# Altium PCB PCB.PcbDoc (continued)
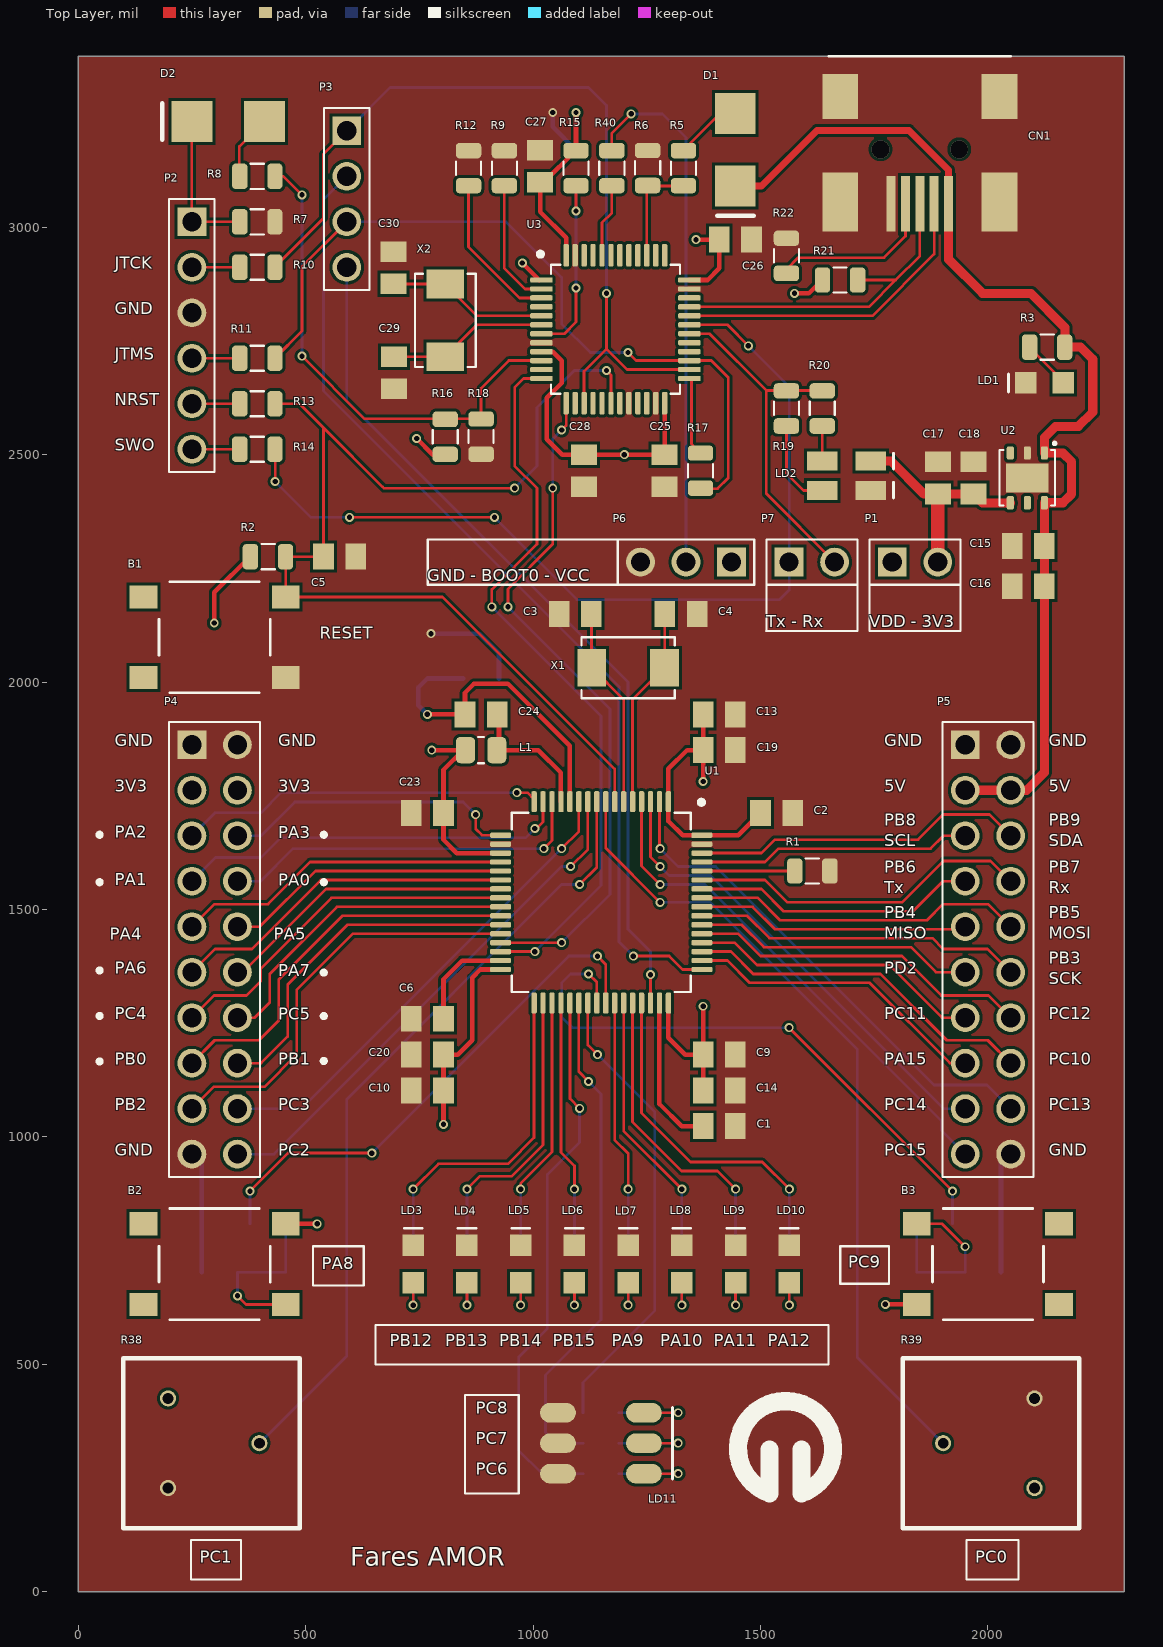
[diagram p0: Top Layer view]
## Footprints (in the part's own frame and the unit in brackets; to place one, negate y for a bottom-side part, rotate by r counter-clockwise, add the part's x,y. Pads: shape width x height; smd on the part's side, far side on the other; paste and mask are expansions set on the pad) (continued)
  rrect53% 0.3x1.26 smd: 1(-2.75,-4.13) 2(-2.25,-4.13) 3(-1.75,-4.13) 4(-1.25,-4.13) 5(-0.75,-4.13) 6(-0.25,-4.13) 7(0.25,-4.13) 8(0.75,-4.13) 9(1.25,-4.13) 10(1.75,-4.13) 11(2.25,-4.13) 12(2.75,-4.13) 25(2.75,4.13) 26(2.25,4.13) 27(1.75,4.13) 28(1.25,4.13) 29(0.75,4.13) 30(0.25,4.13) 31(-0.25,4.13) 32(-0.75,4.13) 33(-1.25,4.13) 34(-1.75,4.13) 35(-2.25,4.13) 36(-2.75,4.13)
  rrect53% 1.26x0.3 smd: 13(4.13,-2.75) 14(4.13,-2.25) 15(4.13,-1.75) 16(4.13,-1.25) 17(4.13,-0.75) 18(4.13,-0.25) 19(4.13,0.25) 20(4.13,0.75) 21(4.13,1.25) 22(4.13,1.75) 23(4.13,2.25) 24(4.13,2.75) 37(-4.13,2.75) 38(-4.13,2.25) 39(-4.13,1.75) 40(-4.13,1.25) 41(-4.13,0.75) 42(-4.13,0.25) 43(-4.13,-0.25) 44(-4.13,-0.75) 45(-4.13,-1.25) 46(-4.13,-1.75) 47(-4.13,-2.25) 48(-4.13,-2.75)
  silkscreen extent -4.32,-4.32 3.6,3.6, body extent -4.5,-4.5 4.5,4.5, height 1.6
STM_QFP64P50_1200X1200X160L60X22N [mm] "Quad Flat Pack (QFP), 0.50 mm pitch; square, 16 pin X 16 pin, 10.00 mm L X 10.00 mm W X 1.60 mm H body"
  rrect53% 0.3x1.17 smd: 1(-3.75,-5.62) 2(-3.25,-5.62) 3(-2.75,-5.62) 4(-2.25,-5.62) 5(-1.75,-5.62) 6(-1.25,-5.62) 7(-0.75,-5.62) 8(-0.25,-5.62) 9(0.25,-5.62) 10(0.75,-5.62) 11(1.25,-5.62) 12(1.75,-5.62) 13(2.25,-5.62) 14(2.75,-5.62) 15(3.25,-5.62) 16(3.75,-5.62) 33(3.75,5.62) 34(3.25,5.62) 35(2.75,5.62) 36(2.25,5.62) 37(1.75,5.62) 38(1.25,5.62) 39(0.75,5.62) 40(0.25,5.62) 41(-0.25,5.62) 42(-0.75,5.62) 43(-1.25,5.62) 44(-1.75,5.62) 45(-2.25,5.62) 46(-2.75,5.62) 47(-3.25,5.62) 48(-3.75,5.62)
  rrect53% 1.17x0.3 smd: 17(5.62,-3.75) 18(5.62,-3.25) 19(5.62,-2.75) 20(5.62,-2.25) 21(5.62,-1.75) 22(5.62,-1.25) 23(5.62,-0.75) 24(5.62,-0.25) 25(5.62,0.25) 26(5.62,0.75) 27(5.62,1.25) 28(5.62,1.75) 29(5.62,2.25) 30(5.62,2.75) 31(5.62,3.25) 32(5.62,3.75) 49(-5.62,3.75) 50(-5.62,3.25) 51(-5.62,2.75) 52(-5.62,2.25) 53(-5.62,1.75) 54(-5.62,1.25) 55(-5.62,0.75) 56(-5.62,0.25) 57(-5.62,-0.25) 58(-5.62,-0.75) 59(-5.62,-1.25) 60(-5.62,-1.75) 61(-5.62,-2.25) 62(-5.62,-2.75) 63(-5.62,-3.25) 64(-5.62,-3.75)
  silkscreen extent -5.71,-5.71 5,5, body extent -6,-6 6,6, height 1.6
TI_SON7P95_300X300X100L40X34T236X162N [mm] "Small Outline No-Lead (SON with Tab), 0.95 mm pitch; 6 pin, 3.00 mm L X 3.00 mm W X 1.00 mm H body"
  rrect50% 0.4x0.75 smd: 1(-0.95,-1.39) 2(0,-1.39) 3(0.95,-1.39) 4(0.95,1.39) 5(0,1.39) 6(-0.95,1.39)
  rect 2.365x1.625 smd paste-2.365: 7(0,0)
  silkscreen extent -1.55,-1.95 1.55,1.55, body extent -1.5,-1.55 1.5,1.55, height 1
VISHAY_RESC205X125X50L35_30N [mm] "Resistor, Chip; 2.05 mm L X 1.25 mm W X 0.50 mm H body"
  rrect48% 0.87x1.42 smd: 1(-0.975,0)
  rrect49% 0.85x1.42 smd: 2(0.985,0)
  silkscreen extent -0.36,-0.7 0.38,0.7, body extent -1.02,-0.63 1.02,0.63, height 0.5

## Part data
B1 B2 B3: "Button_SMD_4_6x6x9.5_Diptronics", Color=Red, Manufacturer=Diptronics, Package=DTSM-65, Dimensions=6x6x9.5, Mounting Type=SMT, Number of Pins=4, Purchase Link=https://www.ozdisan.com/elektromekanik-komponentler/sivicler-anahtarlar/tact-sivicler/DTSM-65R-V-TR
C1 C3 C4 C5 C6 C9 C10 C13 C14 C16 C18 C19 C20 C23 C24 C25 C26 C27 C28 C29 C30 C31 C32 C33: "Cap_0805_0.1uF_25VDC_Kemet", Manufacturer=Kemet, Package=0805, Tolerance=10%, Voltage=25VDC, Dimensions=2x1.25x0.9, Mounting Type=SMT, Purchase Link=https://www.ozdisan.com/pasif-komponentler/kondansatorler/smd-kondansatorler-mlcc/C0805C105K4RACTU
C2 C15 C17: "Cap_0805_1uF_16VDC_Kemet", Manufacturer=Kemet, Package=0805, Tolerance=2%, Voltage=16VDC, Dimensions=2x1.25x0.9, Mounting Type=SMT, Purchase Link=https://www.ozdisan.com/pasif-komponentler/kondansatorler/smd-kondansatorler-mlcc/C0805C105K4RACTU
CN1: "UsbConn_Mini_5Pin_SMT_Connfly"
D1 D2: "Schottky_1A_0.6V_20V_Panjit", Forward Current=1A, Forward Voltage=0.6V, Manufacturer=Panjit, Package=DO214AA, Reverse Voltage=20V, Dimensions=-, Mounting Type=SMD, Purchase Link=https://www.ozdisan.com/guc-yari-iletkenleri/diyot-modul-diyot-dogrultucular/schottky-diyotlar/SK12R100001
L1: "Bead_600R_500mA_0805_Samsung", Manufacturer=Samsung, Package=0805, Mounting Type=SMT, Purchase Link=https://ozdisan.com/Product/Detail/406952/CIM21U601NE
LD1 LD3 LD4 LD5 LD6 LD7 LD8 LD9 LD10: "Led_R_1.7V_25mA_Everlight", Color=R, Forward Current=25mA, Forward Voltage=1.7V, Manufacturer=Everlight, Package=0805, Dimensions=-, Mounting Type=SMT, Purchase Link=https://www.ozdisan.com/led-led-aydinlatma-cozumleri/led-komponentler/renkli-led-sinyal/17-21R6C-AP1Q2L3T
LD2: "Led_RG_1.7-2.4V_25mA_Everlight", Color=RG, Forward Current=25mA, Forward Voltage=1.7-2.4V, Manufacturer=Everlight, Package=1206, Dimensions=-, Mounting Type=SMT, Purchase Link=https://www.ozdisan.com/led-led-aydinlatma-cozumleri/led-komponentler/renkli-led-sinyal/11-22SURSYGCS530-A2TR8
LD11: "Led_RGB_1.8-2.8-2.8V_3x90mA_Honglitronic", Color=RGB, Forward Current=3x90mA, Forward Voltage=1.8-2.8-2.8V, Manufacturer=Honglitronic, Package=5050, Dimensions=-, Mounting Type=SMT, Purchase Link=https://www.ozdisan.com/led-led-aydinlatma-cozumleri/led-komponentler/renkli-led-aydinlatma/HLAF5060H248BS36FU76GCS1
P1 P7: "Head_2x1_2.54", Manufacturer=-, Dimensions=-, Mounting Type=TH, Number of Pins=2x1, Pitch=2.54mm, Position of Pins=V, Purchase Link=-
P2: "Head_6x1_2.54", Manufacturer=-, Dimensions=-, Mounting Type=TH, Number of Pins=6x1, Pitch=2.54mm, Position of Pins=V, Purchase Link=-
P3: "Head_4x1_2.54", Manufacturer=-, Dimensions=-, Mounting Type=TH, Number of Pins=4x1, Pitch=2.54mm, Position of Pins=V, Purchase Link=-
P4 P5: "Head_10x2_2.54", Manufacturer=-, Dimensions=-, Mounting Type=TH, Number of Pins=10x2, Pitch=2.54mm, Position of Pins=V, Purchase Link=-
P6: "Head_3x1_2.54", Manufacturer=-, Dimensions=-, Mounting Type=TH, Number of Pins=3x1, Pitch=2.54mm, Position of Pins=V, Purchase Link=-
R1 R2 R3 R4 R5 R6 R7 R8 R9 R10 R11 R12 R13 R14 R15 R16 R17 R18 R19 R20 R21 R22 R23 R24 R25 R26 R27 R28 R29 R30 R31 R32 R33 R34 R35 R36 R37 R40: "Res_0805_0R_1/8W_Vishay", Manufacturer=Vishay, Package=0805, Power=1/8W, Tolerance=Jumper, Dimensions=2x1.25x0.45, Mounting Type=SMT, Purchase Link=https://www.ozdisan.com/pasif-komponentler/direncler/smt-smd-direncler/CRCW08050000Z0EA
R38 R39: "Trimpot_10K_Bonens", Manufacturer=Bonens, Package=3386F, Power=-, Dimensions=9.5x9.5x5, Mounting Type=TH, Purchase Link=https://www.ozdisan.com/elektromekanik-komponentler/potansiyometre-trimpotlar/trimpot-potansiyometreler/3386F-1-103LF-BN, Tolerance=-
U1: "Microcontroller_STM", Manufacturer=STM, Package=LQFP64, Mounting Type=SMT, Purchase Link=https://ozdisan.com/Product/Detail/483733/STM32F415RGT6
U2: "LinReg_3.3V_500mA_200mV_ST", Dropout Voltage=200mV, Manufacturer=ST, Output Current=500mA, Output Voltage=3.3V, Package=DFN6(3x3), Dimensions=-, Mounting Type=SMT, Purchase Link=https://www.ozdisan.com/entegre-devreler-ics/guc-entegreleri/ic-lineer-voltaj-regulatorleri/LD39050PU33R
U3: "Microcontroller_STM", Manufacturer=STM, Package=LQFP48, Mounting Type=SMT, Purchase Link=https://ozdisan.com/entegre-devreler-ics/embedded-entegre-devreler/ic-mikroislemciler/STM32F103C8T6
X1 X2: "Crystal_8MHz_18pF_140R_20PPM_30PPM_Abracon", Frequency=8MHz, Frequency Stability=30PPM, Frequency Tolerance=20PPM, Load Capacitance=18pF, Manufacturer=Abracon, Package=ABM3, Dimensions=5x3.2x1.3, ESR=140R, Mounting Type=SMT, Purchase Link=https://www.ozdisan.com/pasif-komponentler/kristaller-osilatorler-rezanatorler/kristal/ABM3-8-000MHZ-D2Y-T

## Via types
v1: diameter 19.68, hole 11.81, Top Layer to Bottom Layer, 78 vias
v2: diameter 39.37, hole 39.37, Top Layer to Bottom Layer, 2 vias

## Nets (pads, with @x,y where several pads share a name; then routed paths per layer and width w, separated by ;. In a path a pad name is that pad's centre, name@x,y a point inside that pad or via, vN(x,y) a via of type N, cw(c..) or ccw(c..) an arc to the next point about the centre after c; other vN are vias at no path point)
3V3: C17.2 C18.2 C25.2 C26.2 C27.2 C28.2 LD2.4 P1.2 P6.1 R15.1 R16.2 R21.2 U2.4 U3.1 U3.9 U3.24 U3.36 U3.48 | length 1889
  Top Layer w10: v1(744.09,2535.43) 779.53,2500 R16.2@807.09,2500 ; v1(976.38,2921.26) U3.1@1013.78,2883.86 ; U3.9 1043.31,2726.38 1062.99,2706.69 1062.99,2657.48 1030.51,2625 1030.51,2533.46 1063.98,2500 C28.2 C25.2 U3.24 ; U3.48 1072.84,2976.38 1015.75,3033.46 C27.2 1023.62,3098.42 1094.49,3169.29 v1(1094.49,3251.97) ; U3.36 1383.86,2883.86 1409.45,2909.45 C26.2 v1(1358.27,2972.44) ; v1(1574.8,2854.33) 1606.3,2854.33 R21.2@1635.83,2883.86
  Top Layer w20: LD2.4 1786.42,2486.22 1859.25,2413.39 C17.2 C18.2 1988.19,2393.7 U2.4@2049.21,2393.7
  Top Layer w30: P1.2 C17.2
  other v1: 1200.79,2500
AGND: C24.1 R4.1 U1.12 | length 721.8
  Top Layer w10: v1(767.72,1929.13) C24.1 850.39,1976.38 870.08,1996.06 944.88,1996.06 1081.1,1859.84 U1.12
  Bottom Layer w10: v1(767.72,1929.13) 748.03,1948.82 748.03,1988.19 767.72,2007.87 R4.1@846.46,2007.87
AIN_1: R8.2 R16.1 R18.2 U3.10 | length 1106
  Top Layer w6: R8.2@433.07,3111.81 451.18,3111.81 v1(492.13,3070.87) ; v1(492.13,2716.54) 629.92,2578.74 807.09,2578.74 885.83,2578.74 885.83,2645.67 946.85,2706.69 U3.10
  Bottom Layer w6: v1(492.13,2716.54) v1(492.13,3070.87)
AVDD: C24.2 L1.2 U1.13 | length 300.9
  Top Layer w10: C24.2 925.2,1925.2 925.2,1850.39 1011.81,1850.39 1061.42,1800.79 U1.13
BOOT0: R40.2 U3.44 | length 161.9
  Top Layer w6: U3.44 1151.57,3009.84 1173.23,3031.5 R40.2
GND: B1.1 C1.1 C2.1 C3.2 C4.2 C5.1 C6.1 C9.1 C10.1 C13.1 C14.1 C15.1 C16.1 C17.1 C18.1 C19.1 C20.1 C23.1 C25.1 C26.1 C27.1 C28.1 C29.2 C30.2 C31.1 CN1.5 CN1.6 LD1.2 LD2.2 LD3.2 LD4.2 LD5.2 LD6.2 LD7.2 LD8.2 LD9.2 LD10.2 LD11.4 LD11.5 LD11.6 P2.3 P4.1 P4.10 P4.20 P5.1 P5.11 P5.20 P6.3 R1.1 R4.2 R6.2 R7.2 R9.1 R12.1 R18.1 R22.2 R33.2 R34.2 R38.3 R39.3 U1.18 U1.63 U2.2 U2.7 U3.8 U3.20 U3.23 U3.35 U3.47 | length 863
  Bottom Layer w10: P4.10 271.26,940.95 R33.2@271.26,702.76 ; v1(775.59,2106.3) 881.89,2106.3 925.2,2062.99 R4.2@925.2,2007.87 ; v1(1043.31,3251.97) 1043.31,3220.47 C31.1 ; R34.2@2028.74,702.76 2028.74,940.94 P5.11
LED_ST: P7.2 R19.2 R20.2 U3.30 | length 783.1
  Top Layer w6: U3.30 1387.8,2765.75 1512.79,2640.75 ; R20.2@1635.83,2640.75 1557.09,2640.75 1512.79,2640.75 ; P7.2 1512.79,2413.98 1512.79,2640.75
NetB2_1: B2.1 C32.1 R31.2 R33.1 | length 379
  Top Layer w6: v1(350.39,650.59) 369.09,631.89 B2.1
  Bottom Layer w6: v1(350.39,650.59) 350.39,702.36 350,702.76 C32.1 R31.2@456.5,809.06
NetB3_1: B3.1 C33.1 R32.2 R34.1 | length 396.1
  Top Layer w6: B3.1 1899.61,809.06 v1(1950,758.66)
  Bottom Layer w6: R32.2@1843.5,809.06 C33.1 1950,702.76 v1(1950,758.66)
NetC1_2: C1.2 U1.47 | length 338.3
  Top Layer w10: U1.47 1277.95,1072.44 1326.77,1023.62 C1.2
NetC3_1: C3.1 U1.6 X1.1 | length 437.8
  Top Layer w6: C3.1 1128.35,2032.2 X1.1 1199.21,1961.34 U1.6@1199.21,1741.14
NetC4_1: C4.1 U1.5 X1.2 | length 437.8
  Top Layer w6: U1.5@1218.9,1741.14 1218.9,1961.34 X1.2 1289.76,2032.2 C4.1
NetC6_2: C6.2 U1.31 | length 229.3
  Top Layer w10: C6.2 803.15,1346.46 844.49,1387.8 U1.31
NetC29_1: C29.1 U3.6 X2.1 | length 353.7
  Top Layer w6: C29.1 X2.1 877.24,2785.43 U3.6
NetC30_1: C30.1 U3.5 X2.2 | length 354.7
  Top Layer w6: C30.1 X2.2 877.24,2805.12 U3.5
NetCN1_4: CN1.4 R22.1 | length 372.5
  Top Layer w6: R22.1@1557.09,2897.64 1557.09,2907.13 1583.03,2933.07 1771.65,2933.07 1818.9,2980.32 CN1.4
NetD1_2: D1.2 R5.1 | length 147.6
  Top Layer w6: R5.1@1330.71,3169.29 1411.42,3250 D1.2
NetD2_1: D2.1 P2.1 R7.1 | length 324.8
  Top Layer w6: D2.1 P2.1 R7.1@354.33,3011.81
NetD2_2: D2.2 R8.1 | length 143.3
  Top Layer w6: R8.1@354.33,3111.81 354.33,3177.16 D2.2
NetLD1_1: LD1.1 R3.1 | length 109.7
  Top Layer w6: R3.1@2090.55,2736.22 2165.35,2661.42 LD1.1
NetLD2_1: LD2.1 R19.1 | length 197.6
  Top Layer w6: R19.1@1557.09,2562.01 1557.09,2458.66 1594.49,2421.26 LD2.1
NetLD2_3: LD2.3 R20.1 | length 75.8
  Top Layer w6: LD2.3 R20.1@1635.83,2562.01
NetLD3_1: LD3.1 R23.1 | length 99.6
  Top Layer w6: v1(736.61,630.32) LD3.1
  Bottom Layer w6: v1(736.61,630.32) R23.1@736.61,681.1
NetLD4_1: LD4.1 R24.1 | length 99.6
  Top Layer w6: v1(854.72,630.32) LD4.1
  Bottom Layer w6: v1(854.72,630.32) R24.1@854.72,681.1
NetLD5_1: LD5.1 R25.1 | length 99.6
  Top Layer w6: v1(972.83,630.32) LD5.1
  Bottom Layer w6: v1(972.83,630.32) R25.1@972.83,681.1
NetLD6_1: LD6.1 R26.1 | length 99.6
  Top Layer w6: v1(1090.95,630.32) LD6.1
  Bottom Layer w6: v1(1090.95,630.32) R26.1@1090.95,681.1
NetLD7_1: LD7.1 R27.1 | length 99.6
  Top Layer w6: v1(1209.05,630.32) LD7.1
  Bottom Layer w6: v1(1209.05,630.32) R27.1@1209.05,681.1
NetLD8_1: LD8.1 R28.1 | length 99.6
  Top Layer w6: v1(1327.17,630.32) LD8.1
  Bottom Layer w6: v1(1327.17,630.32) R28.1@1327.17,681.1
NetLD9_1: LD9.1 R29.1 | length 99.6
  Top Layer w6: v1(1445.28,630.32) LD9.1
  Bottom Layer w6: v1(1445.28,630.32) R29.1@1445.28,681.1
NetLD10_1: LD10.1 R30.1 | length 99.6
  Top Layer w6: v1(1563.39,630.32) LD10.1
  Bottom Layer w6: v1(1563.39,630.32) R30.1@1563.39,681.1
NetLD11_1: LD11.1 R36.1 | length 205.5
  Top Layer w6: LD11.1 v1(1318.9,259.84)
  Bottom Layer w6: R36.1@1188.58,259.84 v1(1318.9,259.84)
NetLD11_2: LD11.2 R37.1 | length 205.5
  Top Layer w6: LD11.2 v1(1318.9,326.77)
  Bottom Layer w6: R37.1@1188.58,326.77 v1(1318.9,326.77)
NetLD11_3: LD11.3 R35.1 | length 205.5
  Top Layer w6: LD11.3 v1(1318.9,393.7)
  Bottom Layer w6: R35.1@1188.58,393.7 v1(1318.9,393.7)
NetP2_2: P2.2 R10.1 | length 104.3
  Top Layer w6: P2.2 R10.1@354.33,2911.81
NetP2_4: P2.4 R11.1 | length 104.3
  Top Layer w6: P2.4 R11.1@354.33,2711.81
NetP2_5: P2.5 R13.1 | length 104.3
  Top Layer w6: P2.5 R13.1@354.33,2611.81
NetP2_6: P2.6 R14.1 | length 104.3
  Top Layer w6: P2.6 R14.1@354.33,2511.81
NetP6_2: P6.2 R40.1 | length 1173.8
  Top Layer w6: R40.1 1173.23,3206.69 v1(1215.55,3249.02)
  Bottom Layer w6: v1(1215.55,3249.02) 1284.45,3249.02 1336.22,3197.24 P6.2
NetR1_2: R1.2 U1.60 | length 203.5
  Top Layer w6: U1.60 R1.2@1574.8,1584.65
NetR5_2: R5.2 R6.1 U3.39 | length 231.9
  Top Layer w6: U3.39 1250,3088.58 1251.97,3090.55 R5.2@1330.71,3090.55
NetR9_2: R9.2 U3.2 | length 281.9
  Top Layer w6: R9.2 937.01,2909.45 982.28,2864.17 U3.2
NetR12_2: R12.2 U3.3 | length 340.6
  Top Layer w6: R12.2@858.27,3090.55 858.27,2956.69 970.47,2844.49 U3.3
NRST: B1.3 C5.2 R2.2 R13.2 U1.7 U3.18 | length 2464.7
  Top Layer w6: R13.2@433.07,2611.81 486.61,2611.81 525.59,2572.83 539.37,2559.06 ; v1(959.65,2426.18) 672.24,2426.18 669.29,2429.13 539.37,2559.06 ; v1(1161.42,2685.04) 1171.26,2675.2 U3.18 ; U1.7@1179.53,1742.13 1179.53,1808.66 801.18,2187.01 B1.3 456.5,2275.59 C5.2 539.37,2559.06
  Bottom Layer w6: v1(959.65,2426.18) 1008.86,2475.39 1008.86,2603.35 1090.55,2685.04 v1(1161.42,2685.04)
PA0: P4.17 U1.14 | length 814
  Top Layer w6: v1(1023.62,1633.86) 1041.73,1651.97 U1.14
  Bottom Layer w6: P4.17 400.79,1562.2 472.44,1633.86 v1(1023.62,1633.86)
PA1: P4.4 U1.15 | length 870.6
  Top Layer w6: v1(1003.94,1678.15) 1007.88,1678.15 1022.05,1692.32 U1.15
  Bottom Layer w6: P4.4 301.97,1614.17 401.57,1614.17 444.88,1657.48 983.27,1657.48 v1(1003.94,1678.15)
PA2: P4.3 U1.16 | length 797.7
  Top Layer w6: v1(964.57,1756.89) 987.6,1756.89 U1.16@1002.36,1742.13
  Bottom Layer w6: P4.3 300.39,1712.6 401.57,1712.6 445.87,1756.89 v1(964.57,1756.89)
PA3: P4.18 U1.17 | length 658
  Top Layer w6: v1(874.02,1708.66) 874.02,1677.17 887.8,1663.39 U1.17
  Bottom Layer w6: P4.18 402.36,1662.2 476.38,1736.22 846.46,1736.22 v1(874.02,1708.66)
PA4: P4.5 U1.20 | length 737.6
  Top Layer w6: P4.5 299.61,1511.81 417.32,1511.81 509.84,1604.33 U1.20
PA5: P4.16 U1.21 | length 629.5
  Top Layer w6: P4.16 399.21,1462.2 521.65,1584.65 U1.21
PA6: P4.6 U1.22 | length 762.7
  Top Layer w6: P4.6 301.18,1413.39 381.89,1413.39 533.46,1564.96 U1.22
PA7: P4.15 U1.23 | length 654.6
  Top Layer w6: P4.15 362.2,1362.2 545.28,1545.28 U1.23
PA8: R31.1 U1.41 | length 1165.6
  Top Layer w6: v1(377.76,880.91) 461.42,964.57 v1(645.67,964.57) ; v1(1141.73,1397.64) 1159.84,1379.53 U1.41@1159.84,1289.37
  Bottom Layer w6: R31.1@377.76,809.06 v1(377.76,880.91) ; v1(645.67,964.57) 917.32,1236.22 1078.74,1397.64 v1(1141.73,1397.64)
PA9: R27.2 U1.42 | length 546.9
  Top Layer w6: U1.42 1179.53,993.7 1209.06,964.17 v1(1209.06,885.43)
  Bottom Layer w6: R27.2@1209.06,759.84 v1(1209.06,885.43)
PA10: R28.2 U1.43 | length 584.3
  Top Layer w6: U1.43 1199.21,1013.39 v1@1324.8,887.8
  Bottom Layer w6: R28.2@1327.17,759.84 v1(1327.17,885.43)
PA11: R29.2 U1.44 | length 674.5
  Top Layer w6: U1.44 1218.9,1033.07 1326.77,925.2 1405.51,925.2 v1(1445.28,885.43)
  Bottom Layer w6: R29.2@1445.28,759.84 v1(1445.28,885.43)
PA12: R30.2 U1.45 | length 761.4
  Top Layer w6: U1.45 1238.58,1052.76 1346.46,944.88 1503.94,944.88 v1(1563.39,885.43)
  Bottom Layer w6: R30.2@1563.39,759.84 v1(1563.39,885.43)
PA15: P5.8 U1.50 | length 672.2
  Top Layer w6: U1.50 1427.17,1387.8 1475.98,1338.98 1739.76,1338.98 1916.54,1162.2 P5.8
PB0: P4.8 U1.26 | length 866
  Top Layer w6: P4.8 300.39,1212.6 397.64,1212.6 440.94,1255.91 440.94,1346.46 580.71,1486.22 U1.26
PB1: P4.13 U1.27 | length 771.7
  Top Layer w6: P4.13 402.36,1162.2 460.63,1220.47 460.63,1334.65 592.52,1466.54 U1.27
PB2: P4.9 U1.28 | length 921.1
  Top Layer w6: P4.9 298.03,1110.24 409.45,1110.24 480.32,1181.1 480.32,1322.83 604.33,1446.85 U1.28
PB3: P5.15 U1.55 | length 730.1
  Top Layer w6: U1.55 1470.47,1486.22 1519.69,1437.01 1877.95,1437.01 1901.57,1413.39 1998.82,1413.39 P5.15
PB4: P5.5 U1.56 | length 601.4
  Top Layer w6: U1.56 1482.28,1505.91 1531.5,1456.69 1944.49,1456.69 P5.5
PB5: P5.16 U1.57 | length 734.3
  Top Layer w6: U1.57 1494.09,1525.59 1543.31,1476.38 1866.14,1476.38 1901.57,1511.81 2000.39,1511.81 P5.16
PB6: P5.4 U1.58 | length 626.5
  Top Layer w6: U1.58 1501.97,1545.28 1551.18,1496.06 1834.65,1496.06 1900.79,1562.2 P5.4
PB7: P5.17 U1.59 | length 755.4
  Top Layer w6: U1.59 1509.84,1564.96 1559.06,1515.75 1811.02,1515.75 1902.14,1606.87 2005.34,1606.87 P5.17
PB8: P5.3 U1.61 | length 602.7
  Top Layer w6: U1.61 1509.84,1604.33 1539.37,1633.86 1874.02,1633.86 1902.36,1662.2 P5.3
PB9: P5.18 U1.62 | length 733
  Top Layer w6: U1.62 1501.97,1624.02 1531.5,1653.54 1846.46,1653.54 1901.57,1708.66 2003.54,1708.66 P5.18
PB12: R23.2 U1.33 | length 734.2
  Top Layer w6: v1(736.61,885.43) 792.13,940.94 944.88,940.94 1002.36,998.43 U1.33
  Bottom Layer w6: R23.2@736.61,759.84 v1(736.61,885.43)
PB13: R24.2 U1.34 | length 645.6
  Top Layer w6: v1(854.72,885.43) 882.68,913.39 952.76,913.39 1022.05,982.68 U1.34
  Bottom Layer w6: R24.2 v1(854.72,885.43)
PB14: R25.2 U1.35 | length 563.2
  Top Layer w6: v1(972.83,885.43) 972.83,898.03 1041.73,966.93 U1.35
  Bottom Layer w6: R25.2@972.83,759.84 v1(972.83,885.43)
PB15: R26.2 U1.36 | length 546.9
  Top Layer w6: U1.36 1061.42,966.14 1090.95,936.61 v1(1090.95,885.43)
  Bottom Layer w6: R26.2@1090.95,759.84 v1(1090.95,885.43)
PC0: R39.2 U1.8 | length 1782
  Top Layer w6: U1.8 1159.84,1635.43 v1(1279.53,1515.75)
  Bottom Layer w6: v1(1279.53,1515.75) 1389.76,1515.75 1712.6,1192.91 1712.6,515.75 R39.2
PC1: R38.2 U1.9 | length 1740.5
  Top Layer w6: v1(1102.36,1555.12) 1140.16,1592.91 U1.9
  Bottom Layer w6: R38.2 590.55,518.9 590.55,1082.68 1062.99,1555.12 v1(1102.36,1555.12)
PC2: P4.11 U1.10 | length 1152.8
  Top Layer w6: v1(1082.68,1594.49) 1120.47,1632.28 U1.10
  Bottom Layer w6: P4.11 430.71,962.2 1062.99,1594.49 v1(1082.68,1594.49)
PC3: P4.12 U1.11 | length 1068.6
  Top Layer w6: v1(1062.99,1633.86) 1100.79,1671.65 U1.11
  Bottom Layer w6: P4.12 491.34,1062.2 v1(1062.99,1633.86)
PC4: P4.7 U1.24 | length 804
  Top Layer w6: P4.7 298.82,1311.02 370.08,1311.02 401.57,1342.52 401.57,1370.08 557.09,1525.59 U1.24
PC5: P4.14 U1.25 | length 716.6
  Top Layer w6: P4.14 388.19,1262.2 421.26,1295.28 421.26,1358.27 568.9,1505.91 U1.25
PC6: R36.2 U1.37 | length 1210.3
  Top Layer w6: U1.37 1081.1,1084.25 v1(1102.36,1062.99)
  Bottom Layer w6: v1(1102.36,1062.99) 1102.36,988.19 1031.5,917.32 1031.5,578.74 968.5,515.75 968.5,311.02 1019.68,259.84 R36.2@1109.84,259.84
PC7: R37.2 U1.38 | length 1106.9
  Top Layer w6: U1.38 1100.79,1143.31 v1(1122.05,1122.05)
  Bottom Layer w6: R37.2@1109.84,326.77 1051.18,326.77 1027.56,350.39 1027.56,476.38 1149.61,598.43 1149.61,1094.49 v1(1122.05,1122.05)
PC8: R35.2 U1.39 | length 1027.2
  Top Layer w6: U1.39 1120.47,1202.36 v1(1141.73,1181.1)
  Bottom Layer w6: R35.2@1109.84,393.7 1109.84,460.24 1267.72,618.11 1267.72,1055.12 v1(1141.73,1181.1)
PC9: R32.1 U1.40 | length 1308.1
  Top Layer w6: v1(1122.05,1358.27) 1140.16,1340.16 U1.40@1140.16,1289.37 ; v1(1562.99,1240.16) v1(1922.24,880.91)
  Bottom Layer w6: v1(1122.05,1358.27) 1082.68,1358.27 1062.99,1338.58 1062.99,1263.78 1086.61,1240.16 v1(1562.99,1240.16) ; R32.1@1922.24,809.06 v1(1922.24,880.91)
PC10: P5.13 U1.51 | length 780.3
  Top Layer w6: U1.51 1435.04,1407.48 1484.05,1358.47 1763.58,1358.47 1909.45,1212.6 1999.61,1212.6 P5.13
PC11: P5.7 U1.52 | length 647.1
  Top Layer w6: U1.52 1442.91,1427.17 1492.13,1377.95 1783.46,1377.95 1899.21,1262.2 P5.7
PC12: P5.14 U1.53 | length 755.2
  Top Layer w6: U1.53 1450.79,1446.85 1500,1397.64 1811.02,1397.64 1897.64,1311.02 2001.18,1311.02 P5.14
PC13: P5.12 U1.2 | length 1111.1
  Top Layer w6: U1.2 1277.95,1635.43 v1(1279.53,1633.86)
  Bottom Layer w6: v1(1279.53,1633.86) 1318.9,1594.49 1401.57,1594.49 1881.89,1114.17 1998.03,1114.17 P5.12
PC14: P5.9 U1.3 | length 1042.3
  Top Layer w6: U1.3 1258.27,1615.75 v1(1279.53,1594.49)
  Bottom Layer w6: v1(1279.53,1594.49) 1299.21,1574.8 1389.76,1574.8 1902.36,1062.2 P5.9
PC15: P5.10 U1.4 | length 1127.1
  Top Layer w6: U1.4 1238.58,1596.06 v1(1279.53,1555.12)
  Bottom Layer w6: v1(1279.53,1555.12) 1377.95,1555.12 1897.64,1035.43 1897.64,1014.57 P5.10
PD2: P5.6 U1.54 | length 622
  Top Layer w6: U1.54 1458.66,1466.54 1507.87,1417.32 1830.71,1417.32 1885.83,1362.2 P5.6
PER_ENn: U3.28
STLK_RX: U1.29 U3.13 | length 1510.1
  Top Layer w6: U1.29 v1(1062.99,1427.17) ; v1(944.88,2165.35) 944.88,2204.72 1043.31,2303.15 v1(1043.31,2426.18) ; v1(1062.99,2554.13) 1072.83,2563.98 U3.13
  Bottom Layer w6: v1(944.88,2165.35) 1169.29,1940.95 1169.29,1533.47 v1(1062.99,1427.17) ; v1(1043.31,2426.18) 1043.31,2534.45 v1(1062.99,2554.13)
STLK_TX: U1.30 U3.12 | length 1603.7
  Top Layer w6: v1(909.45,2165.35) 909.45,2203.74 1008.86,2303.15 1008.86,2426.18 959.65,2475.39 959.65,2647.64 979.33,2667.32 U3.12 ; U1.30 v1(1003.94,1407.48)
  Bottom Layer w6: v1(909.45,2165.35) 1149.61,1925.2 1149.61,1553.15 v1(1003.94,1407.48)
STM_RST: C31.2 R15.2 U3.7 | length 453.5
  Top Layer w6: U3.7@1013.78,2765.75 1068.9,2765.75 1094.49,2791.34 v1(1094.49,2866.14) ; v1(1094.49,3035.43) R15.2@1094.49,3090.55
  Bottom Layer w6: v1(1094.49,2866.14) v1(1094.49,3035.43) C31.2
SWCLK: P3.2 U1.49 | length 2180.5
  Top Layer w6: v1(1220.47,1397.64) 1299.21,1397.64 1328.74,1368.11 U1.49
  Bottom Layer w6: P3.2 539.37,3060.63 539.37,2639.76 1188.98,1990.16 1188.98,1429.13 v1(1220.47,1397.64)
SWDIO: P3.4 U1.46 | length 1899
  Top Layer w6: U1.46@1258.27,1289.37 v1(1258.27,1356.69)
  Bottom Layer w6: P3.4 590.55,2618.11 1208.66,2000 1208.66,1456.69 1258.27,1407.09 v1(1258.27,1356.69)
T_JTCK: P3.1 R10.2 U3.15 U3.26 | length 1873.4
  Top Layer w6: R10.2@431.5,2911.81 539.37,3019.69 539.37,3160.63 P3.1 ; U3.15 1112.2,2683.07 1161.42,2732.28 ; v1(1161.42,2854.33) 1161.42,2732.28 ; U3.26@1348.43,2687.01 1206.69,2687.01 1161.42,2732.28
  Bottom Layer w6: P3.1 685.83,3307.09 1122.05,3307.09 1161.42,3267.72 v1(1161.42,2854.33)
T_JTDI: U3.17
T_JTDO: U3.16
T_JTMS: P3.3 R11.2 R17.1 U3.27 | length 1697.3
  Top Layer w6: R11.2@432.28,2711.81 492.13,2771.65 492.13,2913.39 P3.3 ; v1(1208.66,2724.41) 1226.38,2706.69 1348.43,2706.69 1391.73,2706.69 1429.13,2669.29 1429.13,2448.82 1405.51,2425.2 R17.1@1368.11,2425.2
  Bottom Layer w6: P3.3 940.94,3011.81 1062.99,2889.76 1062.99,2787.4 1125.98,2724.41 v1(1208.66,2724.41)
T_SWDIO_IN: R17.2 U3.25 | length 173.5
  Top Layer w6: U3.25 1348.43,2662.6 1348.43,2523.62 R17.2@1368.11,2503.94
T_SWO: P7.1 R14.2 U3.31 | length 2040.4
  Top Layer w6: v1(433.07,2440.94) R14.2@433.07,2511.81 ; v1(596.46,2362.2) v1(915.35,2362.2) ; U3.31 1427.17,2785.43 v1(1473.43,2739.17)
  Bottom Layer w6: v1(433.07,2440.94) 511.81,2362.2 v1(596.46,2362.2) ; v1(915.35,2362.2) 1096.46,2181.1 1542.32,2181.1 1562.99,2201.77 P7.1 1562.99,2649.61 v1(1473.43,2739.17)
U5V: C15.2 C16.2 CN1.1 D1.1 P5.2 P5.19 R3.2 U2.1 U2.6 | length 2454.5
  Top Layer w15: D1.1 1501.97,3090.55 1624.02,3212.6 1826.77,3212.6 1913.39,3125.98 CN1.1
  Top Layer w20: CN1.1 1913.39,2929.13 1988.19,2854.33 2094.49,2854.33 2169.29,2779.53 2169.29,2736.22 2203.74,2736.22 2230.31,2709.65 2230.31,2593.5 2198.82,2562.01 2148.62,2562.01 2124.02,2537.4 U2.1 2164.76,2503.54 2184.06,2484.25 2184.06,2413.39 2164.76,2394.09 U2.6 C16.2 2124.02,1801.18 2085.04,1762.2 P5.19 P5.2
USB_DM: CN1.2 U3.32 | length 704.7
  Top Layer w6: U3.32 1746.06,2805.12 1881.89,2940.94 CN1.2
USB_DP: CN1.3 R21.1 U3.33 | length 750
  Top Layer w6: U3.33 1738.19,2824.8 1797.24,2883.86 ; R21.1@1714.57,2883.86 1797.24,2883.86 ; CN1.3 1850.39,2937.01 1797.24,2883.86
VDD: B2.3 B3.3 C2.2 C9.2 C10.2 C13.2 C14.2 C19.2 C20.2 C23.2 C32.2 C33.2 L1.1 P1.1 P4.2 P4.19 R2.1 R38.1 R39.1 U1.1 U1.19 U1.32 U1.48 U1.64 | length 2120.3
  Top Layer w10: v1(299.21,2129.92) 299.21,2197.05 R2.1@377.76,2275.59 ; B2.3 v1(525.59,809.06) ; v1(777.36,1850.39) 846.46,1850.39 803.15,1807.09 C23.2 803.15,1653.54 832.68,1624.02 U1.19 ; v1(803.15,1027.56) C10.2 803.15,1181.1 834.64,1181.1 866.14,1212.6 866.14,1350.39 883.86,1368.11 U1.32 ; U1.48 1297.64,1218.11 1334.64,1181.1 C9.2 ; C14.2 C9.2 ; v1(1374.02,1287.4) C9.2 ; v1(1374.01,1781.3) C19.2 ; C13.2 C19.2 ; C2.2 1450.79,1663.39 1328.74,1663.39 1297.64,1694.49 U1.1 1297.64,1809.45 1338.58,1850.39 C19.2 ; v1(1774.41,631.89) B3.3
pads on no net: B1.2 B1.4 B2.2 B2.4 B3.2 B3.4 U2.3 U2.5 U3.4 U3.11 U3.14 U3.19 U3.21 U3.22 U3.29 U3.34 U3.37 U3.38 U3.40 U3.41 U3.42 U3.43 U3.45 U3.46
copper on no net:
  other v2: 1763.78,3171.18 1937.01,3171.18

## Polygon pours and split planes (outlines as drawn)
GND on Top Layer "Top Layer-GND" (solid, pour order 14): 0,0 2300,0 2300,3375.98 0,3375.98
3V3 on Bottom Layer "Bottom Layer-3V3" (solid, pour order 10): 0,3375.98 0,2220.47 2300,2220.47 2300,3375.98
VDD on Bottom Layer "Bottom Layer-VDD 1" (solid, pour order 4): 0,2185.04 0,0 2300,0 2300,2185.04
VDD on Bottom Layer "Bottom Layer-VDD" (solid, pour order 8): 1744.09,2212.6 1696.85,2165.35 1881.89,2165.35 1834.65,2212.6 1834.65,2283.46 1807.09,2311.02 1771.65,2311.02 1744.09,2283.46

## Other copper
Top Layer:
  pour cut-out: 1159.84,1712.6 1159.84,1635.43 1263.78,1531.5 1263.78,1570.87 1238.58,1596.06 1238.58,1712.6

## Silkscreen, mask and mechanical layers (free items; w line width, h text height)
Top Overlay:
  circle w10: c540,1167.12 r3.94
  circle w10: c540,1265.75 r3.94
  circle w10: c540,1361.22 r3.94
  circle w10: c540,1560.07 r3.94
  circle w10: c47.24,1664.37 r3.94
  circle w10: c47.24,1560.04 r3.94
  circle w10: c47.24,1166.14 r3.94
  circle w10: c47.24,1266.14 r3.94
  circle w10: c540,1664.37 r3.94
  circle w10: c47.24,1366.14 r3.94
  lines w4.72: 1186.22,2213.78 768.7,2213.78 768.7,2313.78 1186.22,2313.78 ; 1512.8,2112.2 1712.99,2112.2 1712.99,2213.78 ; 1512.99,2112.4 1512.99,2213.78 ; 1739.57,2112.2 1939.76,2112.2 1939.76,2213.78 ; 1739.76,2112.4 1739.76,2213.78 ; 248.03,27.56 358.27,27.56 358.27,114.17 248.03,114.17 248.03,27.56 ; 516.56,673.23 516.56,759.84 627.95,759.84 627.95,673.23 516.56,673.23 ; 653.54,500 1649.61,500 1649.61,586.61 653.54,586.61 653.54,500 ; 850.39,216.54 968.5,216.54 968.5,433.07 850.39,433.07 850.39,216.54 ; 1675.2,677.17 1782.65,677.17 1782.65,759.84 1675.2,759.84 1675.2,677.17 ; 1952.76,27.56 1952.76,114.17 2066.93,114.17 2066.93,27.56 1952.76,27.56
  lines w5: 1512.8,2112.2 1512.99,2112.4 ; 1739.57,2112.2 1739.76,2112.4
  lines w40: 1519.75,313.07 1519.75,216.72 cw(c1555.12,314.96) 1590.48,216.72 1590.48,313.07
  text "JTCK" at 80,2900 h45
  text "GND" at 80,2800 h45
  text "JTMS" at 80,2700 h45
  text "NRST" at 80,2600 h45
  text "SWO" at 80,2500 h45
  text "GND - BOOT0 - VCC" at 767.72,2212.6 h45
  text "Tx - Rx" at 1512.8,2112.2 h45
  text "VDD - 3V3" at 1739.57,2112.2 h45
  text "RESET" at 531.5,2086.61 h45
  text "GND" at 80,1850.39 h45
  text "GND" at 440,1850.39 h45
  text "GND" at 1771.65,1850.39 h45
  text "GND" at 2133.86,1850.39 h45
  text "3V3" at 80,1750.39 h45
  text "3V3" at 440,1750.39 h45
  text "5V" at 1771.65,1750.39 h45
  text "5V" at 2133.86,1750.39 h45
  text "PA2" at 80,1648.62 h45
  text "PA3" at 440,1647.64 h45
  text "PB8 / SCL" at 1771.65,1629.92 h45
  text "PB9 / SDA" at 2133.86,1629.92 h45
  text "PA1" at 80,1544.29 h45
  text "PA0" at 440,1543.34 h45
  text "PB6 / Tx" at 1771.65,1526.77 h45
  text "PB7 / Rx" at 2133.86,1526.77 h45
  text "PB4 / MISO" at 1771.65,1426.77 h45
  text "PB5 / MOSI" at 2133.86,1426.77 h45
  text "PA4" at 69.88,1425.2 h45
  text "PA5" at 430.12,1425.2 h45
  text "PA6" at 80,1350.39 h45
  text "PD2" at 1771.65,1350.39 h45
  text "PA7" at 440,1344.49 h45
  text "PB3 / SCK" at 2133.86,1326.77 h45
  text "PC4" at 80,1250.39 h45
  text "PC11" at 1771.65,1250.39 h45
  text "PC12" at 2133.86,1250.39 h45
  text "PC5" at 440,1249.02 h45
  text "PB0" at 80,1150.39 h45
  text "PB1" at 440,1150.39 h45
  text "PA15" at 1771.65,1150.39 h45
  text "PC10" at 2133.86,1150.39 h45
  text "PB2" at 80,1050.39 h45
  text "PC3" at 440,1050.39 h45
  text "PC14" at 1771.65,1050.39 h45
  text "PC13" at 2133.86,1050.39 h45
  text "GND" at 80,950.39 h45
  text "PC2" at 440,950.39 h45
  text "PC15" at 1771.65,950.39 h45
  text "GND" at 2133.86,950.39 h45
  text "PC9" at 1692.91,703.74 h45
  text "PA8" at 535.43,700.79 h45
  text "PB12" at 685.04,531.5 h45
  text "PB13" at 807.09,531.5 h45
  text "PB14" at 925.2,531.5 h45
  text "PB15" at 1043.31,531.5 h45
  text "PA9" at 1173.23,531.5 h45
  text "PA10" at 1279.53,531.5 h45
  text "PA11" at 1397.64,531.5 h45
  text "PA12" at 1515.75,531.5 h45
  text "PC8" at 874.02,382.28 h45
  text "PC7" at 874.02,315.35 h45
  text "PC6" at 874.02,248.43 h45
  text "PC1" at 267.72,55.12 h45
  text "PC0" at 1972.44,55.12 h45
  text "Fares AMOR" at 598.43,43.31 h70
Bottom Overlay:
  drawing of 5 lines, arcs and shapes, not listed
  text "AMOR" at 1763.78,185.04 h40
  text "Fares" at 1767.72,78.74 h100
Mechanical 1:
  the board outline again, w6